# Altium PCB PCB1.PcbDoc (part 1 of 3) (continued)
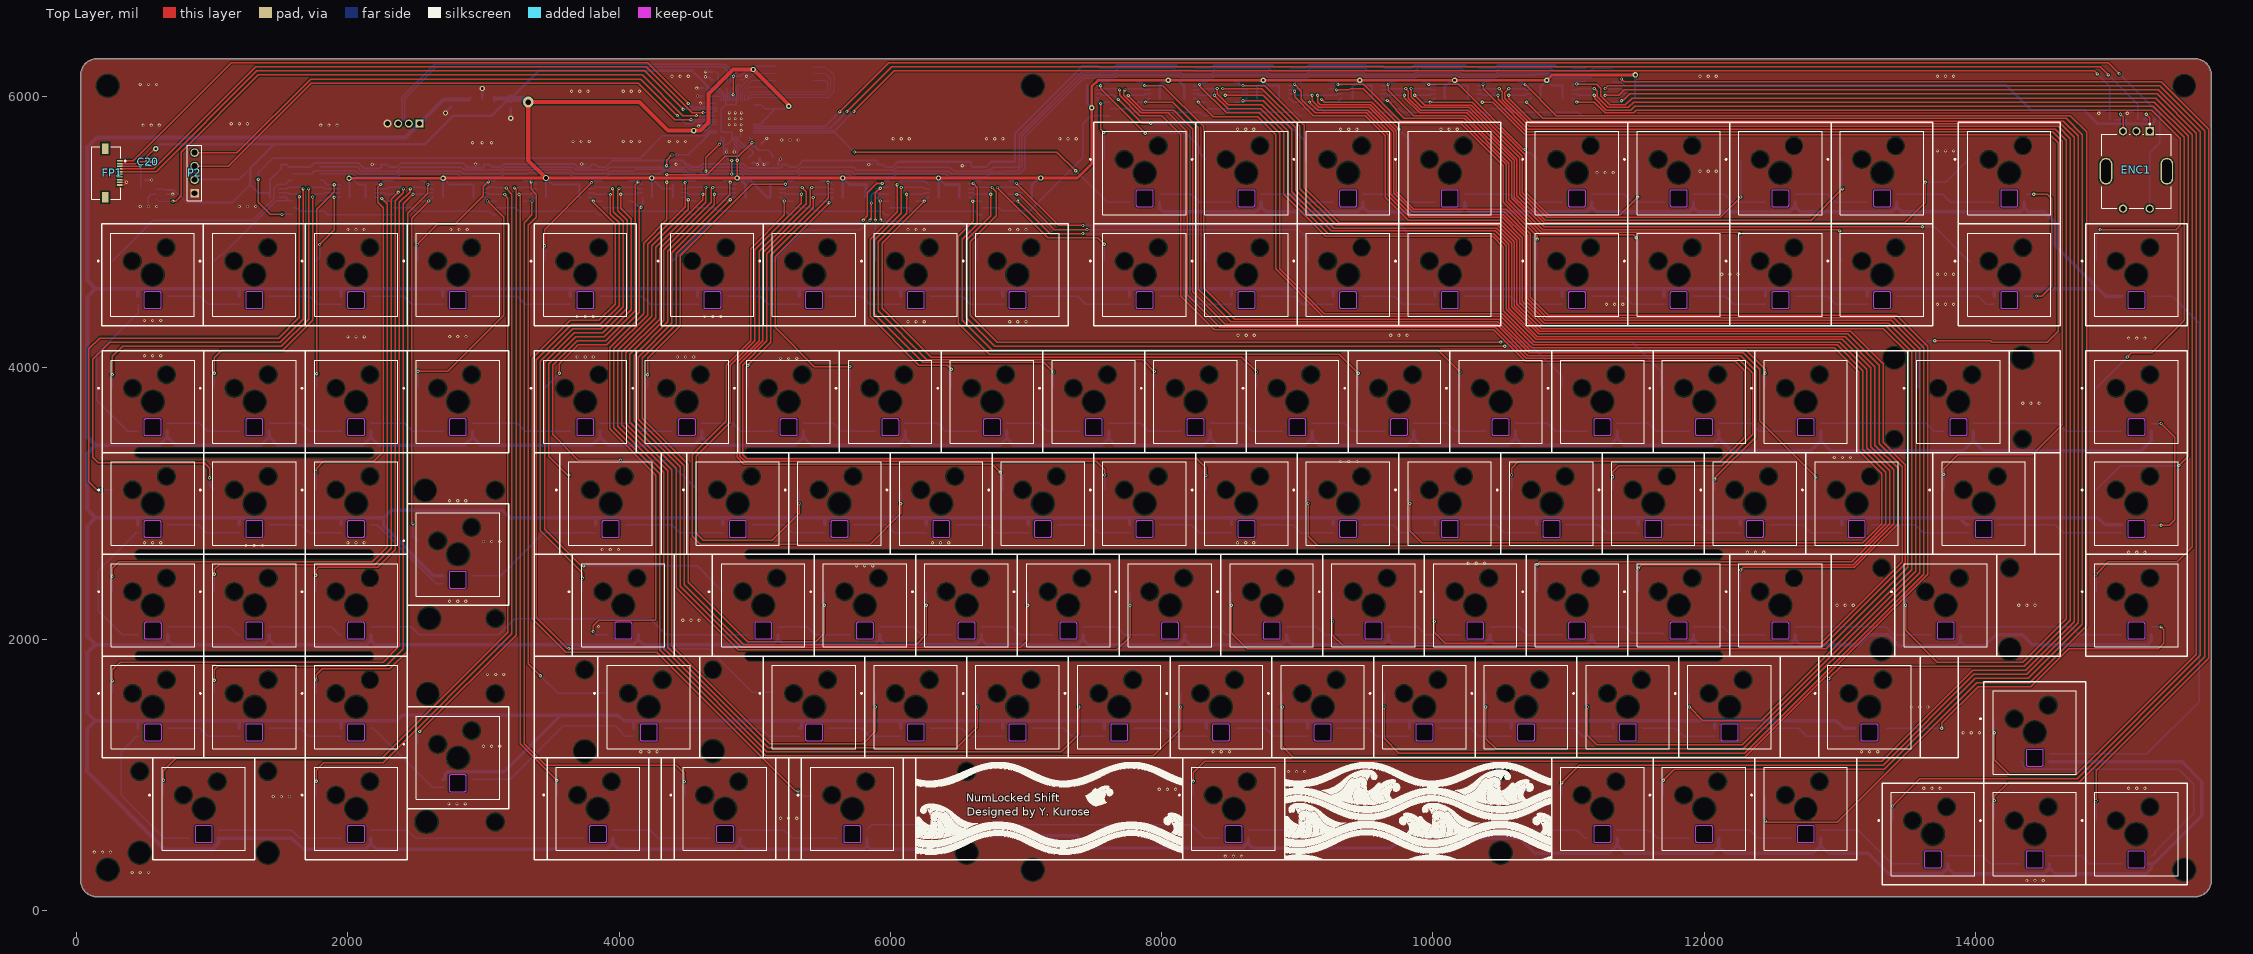
[diagram p0: Top Layer view]
## Components (designator, comment, footprint, x,y, rotation, side; value= is the part's Value field where it differs from the comment) (continued)
SW61 "MX1A-11NW_HS" MX1A-11NW-Footprint-1 10500,3750 r0 top
SW62 "MX1A-11NW_HS" MX1A-11NW-Footprint-1 12000,3750 r0 top
SW63 "MX1A-11NW_HS" MX1A-11NW-Footprint-1 11250,3750 r0 top
SW64 "MX1A-11NW_HS" MX1A-11NW-Footprint-1 9750,3750 r0 top
SW65 "MX1A-11NW_HS" MX1A-11NW-Footprint-1 13125,3000 r0 top
SW66 "MX1A-11NW_HS" MX1A-11NW-Footprint-1 12375,3000 r0 top
SW67 "MX1A-11NW_HS" MX1A-11NW-Footprint-1 11625,3000 r0 top
SW68 "MX1A-11NW_HS" MX1A-11NW-Footprint-1 12750,3750 r0 top
SW69 "MX1A-11NW_HS" MX1A-11NW-Footprint-1 8625,5437.5 r0 top
SW70 "MX1A-11NW_HS" MX1A-11NW-Footprint-1 10875,3000 r0 top
SW71 "MX1A-11NW_HS" MX1A-11NW-Footprint-1 9375,5437.5 r0 top
SW72 "MX1A-11NW_HS" MX1A-11NW-Footprint-1 7875,5437.5 r0 top
SW73 "MX1A-11NW_HS" MX1A-11NW-Footprint-1 12562.5,2250 r0 top
SW74 "MX1A-11NW_HS" MX1A-11NW-Footprint-1 10312.5,2250 r0 top
SW75 "MX1A-11NW_HS" MX1A-11NW-Footprint-1 9562.5,2250 r0 top
SW76 "MX1A-11NW_HS" MX1A-11NW-Footprint-1 8812.5,2250 r0 top
SW77 "MX1A-11NW_HS" MX1A-11NW-Footprint-1 9375,3000 r0 top
SW78 "MX1A-11NW_HS" MX1A-11NW-Footprint-1 11812.5,2250 r0 top
SW79 "MX1A-11NW_HS" MX1A-11NW-Footprint-1 11062.5,2250 r0 top
SW80 "MX1A-11NW_HS" MX1A-11NW-Footprint-1 10125,3000 r0 top
SW81 "MX1A-11NW_HS" MX1A-11NW-Footprint-1 10125,5437.5 r0 top
SW82 "MX1A-11NW_HS" MX1A-11NW-Footprint-1 9187.5,1500 r0 top
SW83 "MX1A-11NW_HS" MX1A-11NW-Footprint-1 11062.5,4687.5 r0 top
SW84 "MX1A-11NW_HS" MX1A-11NW-Footprint-1 11812.5,4687.5 r0 top
SW85 "MX1A-11NW_HS" MX1A-11NW-Footprint-1 11437.5,1500 r0 top
SW86 "MX1A-11NW_HS" MX1A-11NW-Footprint-1 12187.5,1500 r0 top
SW87 "MX1A-11NW_HS" MX1A-11NW-Footprint-1 9937.5,1500 r0 top
SW88 "MX1A-11NW_HS" MX1A-11NW-Footprint-1 10687.5,1500 r0 top
SW89 "MX1A-11NW_HS" MX1A-11NW-Footprint-1 11812.5,5437.5 r0 top
SW90 "MX1A-11NW_HS" MX1A-11NW-Footprint-1 12562.5,5437.5 r0 top
SW91 "MX1A-11NW_HS" MX1A-11NW-Footprint-1 13312.5,5437.5 r0 top
SW92 "MX1A-11NW_HS" MX1A-11NW-Footprint-1 11062.5,5437.5 r0 top
SW93 "MX1A-11NW_HS" MX1A-11NW-Footprint-1 13312.5,4687.5 r0 top
SW94 "MX1A-11NW_HS" MX1A-11NW-Footprint-1 14250,5437.5 r0 top
SW95 "MX1A-11NW_HS" MX1A-11NW-Footprint-1 14250,4687.5 r0 top
SW96 "MX1A-11NW_HS" MX1A-11NW-Footprint-1 12562.5,4687.5 r0 top
SW97 "MX1A-11NW_HS" MX1A-11NW-Footprint-1 12000,750 r0 top
SW98 "MX1A-11NW_HS" MX1A-11NW-Footprint-1 11250,750 r0 top
SW99 "MX1A-11NW_HS" MX1A-11NW-Footprint-1 8531.25,750 r0 top
SW100 "MX1A-11NW_HS" MX1A-11NW-Footprint-1 12750,750 r0 top
SW101 "MX1A-11NW_HS" MX1A-11NW-Footprint-1 14062.5,3000 r0 top
SW102 "MX1A-11NW_HS" MX1A-11NW-Footprint-1 13218.75,1500 r0 top
SW103 "MX1A-11NW_HS" MX1A-11NW-Footprint-1 13781.25,2250 r0 top
SW104 "MX1A-11NW_HS" MX1A-11NW-Footprint-1 13875,3750 r0 top
SW105 "MX1A-11NW_HS" MX1A-11NW-Footprint-1 14437.5,1312.5 r0 top
SW106 "MX1A-11NW_HS" MX1A-11NW-Footprint-1 13687.5,562.5 r0 top
SW107 "MX1A-11NW_HS" MX1A-11NW-Footprint-1 14437.5,562.5 r0 top
SW108 "MX1A-11NW_HS" MX1A-11NW-Footprint-1 15187.5,562.5 r0 top
SW109 "MX1A-11NW_HS" MX1A-11NW-Footprint-1 15187.5,2250 r0 top
SW110 "MX1A-11NW_HS" MX1A-11NW-Footprint-1 15187.5,3000 r0 top
SW111 "MX1A-11NW_HS" MX1A-11NW-Footprint-1 15187.5,3750 r0 top
SW112 "MX1A-11NW_HS" MX1A-11NW-Footprint-1 15187.5,4687.5 r0 top
U1 "LM3940IMP-3.3/NOPB" FP-DCY0004A-MFG 2990,5874.17 r270 bottom
U2 "TCR2EF33,LM(CT" SOT95P275X140-5N 530,5280 r180 bottom
U3 "RP2040TR13" QFN40P700X700X90_HS-57N 4856.69,5836.69 r180 bottom
U4 "74HC165D,653" FP-SOT109-1-IPC_B 1692.5,5307.5 r180 bottom
U5 "74HC165D,653" FP-SOT109-1-IPC_B 2433.44,5305.41 r180 bottom
U6 "74HC165D,653" FP-SOT109-1-IPC_B 3193.72,5305.41 r180 bottom
U7 "74HC165D,653" FP-SOT109-1-IPC_B 3974.01,5305.41 r180 bottom
U8 "74HC165D,653" FP-SOT109-1-IPC_B 4664.3,5305.41 r180 bottom
U9 "74HC165D,653" FP-SOT109-1-IPC_B 5381.44,5305.41 r180 bottom
U10 "74HC165D,653" FP-SOT109-1-IPC_B 6088.59,5305.41 r180 bottom
U11 "74HC165D,653" FP-SOT109-1-IPC_B 6775.73,5305.41 r180 bottom
U12 "74HC165D,653" FP-SOT109-1-IPC_B 7718.6,6034.55 r180 bottom
U13 "74HC165D,653" FP-SOT109-1-IPC_B 8435.74,6034.55 r180 bottom
U14 "74HC165D,653" FP-SOT109-1-IPC_B 9135.49,6034.55 r180 bottom
U15 "74HC165D,653" FP-SOT109-1-IPC_B 9820.03,6034.55 r180 bottom
U16 "74HC165D,653" FP-SOT109-1-IPC_B 10527.17,6034.55 r180 bottom
U17 "74HC165D,653" FP-SOT109-1-IPC_B 11224.32,6034.55 r180 bottom
Y1 "W25Q128JVSIQ TR" SOIC127P790X216-8N 5296.69,6146.69 r180 bottom
Y2 "ABM8G-12.000MHZ-18-D2Y-T" FP-ABM8G-MFG 5042.41,5599.73 r225 bottom

## Footprints (in the part's own frame and the unit in brackets; to place one, negate y for a bottom-side part, rotate by r counter-clockwise, add the part's x,y. Pads: shape width x height; smd on the part's side, far side on the other; paste and mask are expansions set on the pad)
1655-Footprint-1 [mm]
  rect 1.8x0.82 smd: 1(2.779,0.75) 2(2.779,-0.75) 3(-2.779,-0.75) 4(-2.779,0.75)
  Keep-Out Layer board cut-out: -1.623,1.24 -1.582,1.394 -1.469,1.507 -1.315,1.548 -1.315,1.548 1.315,1.548 1.44,1.515 1.542,1.436 1.607,1.323 1.623,1.195 1.623,1.195 1.623,-1.239 1.599,-1.357 1.533,-1.457 1.433,-1.524 1.315,-1.547 1.315,-1.547 -1.315,-1.547 -1.433,-1.524 -1.533,-1.457 -1.6,-1.357 -1.623,-1.239 -1.623,-1.239
  silkscreen extent -4.21,-1.6 -2.64,-0.14, body extent -2.94,-1.4 2.94,1.4, height 0.45
61300411121 [mm] "Pin Header, pitch 2.54 mm, THT, Vertical, single row, 4p"
  rect 1.6x1.6 hole 1.1: 1(-3.81,0)
  round 1.6 hole 1.1: 2(-1.27,0) 3(1.27,0) 4(3.81,0)
  silkscreen extent -5.23,-1.35 5.23,1.34, body extent -5.08,-1.27 5.08,1.27, height 8.57
BOUR-CAY16-J4_V [mm] "SMD, 8-Leads, Body 1.6x3.2mm, Pitch 0.8mm"
  rect 0.9x0.425 smd: 1(-0.85,-1.2) 2(-0.85,-0.4) 3(-0.85,0.4) 4(-0.85,1.2) 5(0.85,1.2) 6(0.85,0.4) 7(0.85,-0.4) 8(0.85,-1.2)
  silkscreen extent -1.97,-1.32 -1.73,-1.08, body extent -0.8,-1.6 0.8,1.6, height 0.6
CAPC0603(1608)100_L [mm] "Chip Capacitor, Body 1.6x0.8mm, Height 1.0mm, IPC High Density"
  rrect25% 0.66x0.76 smd: 1(-0.7,0) 2(0.7,0)
  silkscreen extent 0,-0.3 0,0.3, body extent -0.8,-0.4 0.8,0.4, height 0.95
CAPC1608X90X35LL10T15 [mm] "Chip Capacitor, 2-Leads, Body 1.7x0.9mm, IPC High Density"
  rect 0.75x0.85 smd: 1(-0.625,0) 2(0.625,0)
  body extent -0.85,-0.45 0.85,0.45, height 0.9
FP-505110-1092-MFG [mm]
  rect 0.3x1 smd paste+0 mask+0: 1(-2.25,2.475) 2(-1.75,2.475) 3(-1.25,2.475) 4(-0.75,2.475) 5(-0.25,2.475) 6(0.25,2.475) 7(0.75,2.475) 8(1.25,2.475) 9(1.75,2.475) 10(2.25,2.475)
  rect 2x1.3 smd paste+0 mask+0: 11(-4.55,-0.225) 12(4.55,-0.225)
  silkscreen extent -4.95,-2.73 4.95,3.65, body extent -5.65,-2.83 5.65,3.08, height 0.25
FP-ABM8G-MFG [mm]
  rect 1.4x1.2 smd paste+0 mask+0: 1(-1.1,-0.85) 2(1.1,-0.85) 3(1.1,0.85) 4(-1.1,0.85)
  silkscreen extent -2.47,-1.82 1.6,1.82, body extent -1.6,-1.25 1.6,1.25, height 1
FP-C2012-125-0_2-IPC_A [mil]
  rect 62.13x61.27 smd paste+0 mask+0: 1(-34.02,0) 2(34.02,0)
  silkscreen extent -65,-46 65,46, body extent -39,-25 39,25, height 57
FP-DCY0004A-MFG [mm]
  rect 2.15x0.95 smd paste+0 mask+0: 1(-2.9,2.3) 2(-2.9,0) 3(-2.9,-2.3)
  rect 2.15x3.25 smd paste+0 mask+0: 4(2.9,0)
  silkscreen extent -4.7,-3.35 1.85,3.35, body extent -3.5,-3.25 3.5,3.25, height 1.8
FP-GRM15-MFG [mm]
  rect 0.4x0.5 smd paste+0 mask+0: 1(-0.4,0) 2(0.4,0)
  silkscreen extent -0.53,-0.62 0.53,0.62, body extent -0.3,-0.16 0.3,0.16, height 0.33
FP-GRM033-0_03-IPC_A [mil]
  rect 21.82x18.22 smd paste+0 mask+0: 1(-13.95,0) 2(13.95,0)
  silkscreen extent -25,-25 25,25, body extent -12,-6 12,6, height 13
FP-GRM155-0_2-IPC_A [mil]
  rect 32.6x31.74 smd paste+0 mask+0: 1(-19.25,0) 2(19.25,0)
  silkscreen extent -36,-32 36,32, body extent -20,-10 20,10, height 28
FP-PEC11R-4015F-S0024-MFG [mm]
  round 1.55 hole 1 paste-1000 mask+0: 1(-2.5,7) 2(2.5,7) B(2.5,-7.5) C(0,-7.5)
  rrect100% 2.4x5 hole 4.4 slot 1.8 at 0 deg paste-1000 mask+0: 3(-5.7,0) 4(5.7,0)
  rect 1.55x1.55 hole 1 paste-1000 mask+0: A(-2.5,-7.5)
  silkscreen extent -6.5,-8.95 6.5,6.95, body extent -7,-8.37 7,7.88, height 0.25
FP-SOT109-1-IPC_B [mil]
  rect 74.98x22.36 smd paste+0 mask+0: 1(-98.46,175)
  rrect100% 74.98x22.36 smd paste+0 mask+0: 2(-98.46,125) 3(-98.46,75) 4(-98.46,25) 5(-98.46,-25) 6(-98.46,-75) 7(-98.46,-125) 8(-98.46,-175) 9(98.46,-175) 10(98.46,-125) 11(98.46,-75) 12(98.46,-25) 13(98.46,25) 14(98.46,75) 15(98.46,125) 16(98.46,175)
  silkscreen extent -168,-195 41,195, body extent -118,-195 118,195, height 69
JST-B4B-PH-K-S_V [mm] "Connector, 4-Leads, Body 9.9x4.5mm, Pitch 2mm"
  rect 1.5x1.5 hole 1: 1(-3,0.55)
  round 1.5 hole 1: 2(-1,0.55) 3(1,0.55) 4(3,0.55)
  silkscreen extent -4.95,-2.25 4.95,2.25, body extent -4.95,-2.25 4.95,2.25, height 6
MX1A-11NW-Footprint-1 [mm]
  rect 2.55x2.5 smd far side paste+0: 1(-7.56,2.54) 2(6.29,5.08)
  round 0 hole 3 unplated paste+0: HMT1(-3.81,2.54) HMT2(2.54,5.08)
  round 0 hole 3.988 unplated paste+0: MH1(0,0)
  silkscreen extent -10.28,-9.53 9.53,9.53, body extent -7.76,0.86 6.74,6.76, height 0.85
QFN40P700X700X90_HS-57N [mm] "QFN, 56-Leads, Body 7.00x7.00mm, Pitch 0.40mm, Thermal Pad 3.10x3.10mm, IPC Medium Density"
  oval 0.9x0.2 smd: 1(-3.375,2.6) 2(-3.375,2.2) 3(-3.375,1.8) 4(-3.375,1.4) 5(-3.375,1) 6(-3.375,0.6) 7(-3.375,0.2) 8(-3.375,-0.2) 9(-3.375,-0.6) 10(-3.375,-1) 11(-3.375,-1.4) 12(-3.375,-1.8) 13(-3.375,-2.2) 14(-3.375,-2.6) 29(3.375,-2.6) 30(3.375,-2.2) 31(3.375,-1.8) 32(3.375,-1.4) 33(3.375,-1) 34(3.375,-0.6) 35(3.375,-0.2) 36(3.375,0.2) 37(3.375,0.6) 38(3.375,1) 39(3.375,1.4) 40(3.375,1.8) 41(3.375,2.2) 42(3.375,2.6)
  oval 0.2x0.9 smd: 15(-2.6,-3.375) 16(-2.2,-3.375) 17(-1.8,-3.375) 18(-1.4,-3.375) 19(-1,-3.375) 20(-0.6,-3.375) 21(-0.2,-3.375) 22(0.2,-3.375) 23(0.6,-3.375) 24(1,-3.375) 25(1.4,-3.375) 26(1.8,-3.375) 27(2.2,-3.375) 28(2.6,-3.375) 43(2.6,3.375) 44(2.2,3.375) 45(1.8,3.375) 46(1.4,3.375) 47(1,3.375) 48(0.6,3.375) 49(0.2,3.375) 50(-0.2,3.375) 51(-0.6,3.375) 52(-1,3.375) 53(-1.4,3.375) 54(-1.8,3.375) 55(-2.2,3.375) 56(-2.6,3.375)
  rect 3.1x3.1 smd: 57(0,0)
  silkscreen extent -4.43,-3.65 3.65,3.65, body extent -3.55,-3.55 3.55,3.55, height 0.9
RESC1005X40X25ML05T05 [mm] "Chip Resistor, 2-Leads, Body 1.00x0.50mm, IPC Low Density"
  rect 0.65x0.65 smd: 1(-0.5,0) 2(0.5,0)
  body extent -0.53,-0.27 0.53,0.28, height 0.4
RESC1005X40X25NL05T10 [mm] "Chip Resistor, 2-Leads, Body 1.00x0.50mm, IPC Medium Density"
  rect 0.5x0.6 smd: 1(-0.5,0) 2(0.5,0)
  body extent -0.53,-0.27 0.53,0.28, height 0.4
SOIC127P790X216-8N [mm] "SOIC, 8-Leads, Body 5.28x5.28mm, Pitch 1.27mm, IPC Medium Density"
  oval 1.7x0.6 smd: 1(-3.55,1.905) 2(-3.55,0.635) 3(-3.55,-0.635) 4(-3.55,-1.905) 5(3.55,-1.905) 6(3.55,-0.635) 7(3.55,0.635) 8(3.55,1.905)
  silkscreen extent -3.68,-2.7 2.3,2.88, body extent -2.7,-2.7 2.7,2.7, height 2.16
SOT95P275X140-5N [mm] "SOT23, 5-Leads, Body 2.90x2.75mm, Pitch 0.95mm, IPC Medium Density"
  rect 0.95x0.6 smd: 1(-1.375,0.95) 2(-1.375,0) 3(-1.375,-0.95) 4(1.375,-0.95) 5(1.375,0.95)
  silkscreen extent -1.5,-1.55 0.5,1.92, body extent -0.9,-1.55 0.9,1.55, height 1.4

## Part data
C1: library part CMP-001-00077-3, "Chip Capacitor, 470nF +/-20%, 25V, 0603, Thickness 1 mm", Case/Package=0603, Max Operating Temperature=85°C, Min Operating Temperature=-55°C, Tolerance=10%, Voltage Rating=25V, Mounting Technology=SMT, Pins=2
C2 C4 C5 C6 C7 C8 C9 C10 C11 C12 C13 C14 C19 C20 C21 C23 C25 C26 C27 C28 C29 C30 C31 C32 C33 C34 C35 C36 C37 C38: library part CMP-2100-03641-2, "CAP CER 0.1UF 16V X7R 0402 /  GRM155R71C104KA88D", Capacitance=0.10μF, Manufacturer=Murata, Manufacturer Part Number=GRM155R71C104KA88D, Package=GRM15, Temperature="-55°C to +125°C", Temperature Characteristic=X7R, Temperature Range High=+125°C, Temperature Range Low=-55°C, Tolerance=10%, Voltage Rating=16Vdc, Category=Cap, ComponentLink2Description=Datasheet, ComponentLink2URL=https://search.murata.co.jp/Ceramy/image/img/A01X/G101/ENG/GRM155R71H471KA01-01A.pdf, Device Class L1="Passive Components", Device Class L2=Capacitors, Device Class L3="Ceramic Capacitors", Digikey Description="CAP CER 0.1UF 16V X7R 0402", Height=0.55mm, Ipc Land Pattern Name=CAPC10050X219, Lead Free=yes, Material=Ceramic, Mouser Description="0402 0.1 uF 16V ±10 % Tolerance X7R SMT Multilayer Ceramic Capacitor", Octopart=https://octopart.com/grm155r71c104ka88d-murata-196880, RoHS=TRUE, Standoff Height=0mm
C3: library part CMP-08246-003796-1, "Multilayer Ceramic Capacitors 33μF ±20% 6.3V X5R SMD 0805 / C2012X5R0J336M125AC", Case Code (Imperial)=0805, Case Code (Metric)=2012, Dielectric=X5R, Dielectric Material=Ceramic, Max Operating Temperature=85°C, Min Operating Temperature=-55°C, Package Quantity=1, Tolerance=20%, Voltage Rating=6.3V, Capacitance=33uF, Case/Package=0805, Construction=Flat, Depth=1.25mm, Height=1.25mm, Lead Free="Lead Free", Length=2mm, Mount="Surface Mount", Packaging="Tape and Reel", Radiation Hardening=No, REACH SVHC="No SVHC", Resistor Type=Ceramic, RoHS Compliant=Yes, Series=C, Termination=SMD/SMT, Thickness=0.057inch, Voltage Rating (DC)=6.3V, Weight=0.000194oz, Width=1.2mm
C15 C18: library part CMP-1033-00635-3, "Chip Multilayer Ceramic Capacitors for General Purpose, 0201, 10000pF, X7R, 15%, 10%, 6.3V / GRM033R70J103KA01D", Capacitance=10nF, Case Code (Imperial)=0201, Case Code (Metric)=0603, Dielectric=X7R, Max Operating Temperature=125°C, Min Operating Temperature=-55°C, Package Quantity=15000, Tolerance=10%, Voltage=6.3V, Case/Package=0201, Depth=0.3mm, Height=0.3mm, Lead Free="Lead Free", Length=0.6mm, Mount="Surface Mount", Packaging="Tape and Reel", Radiation Hardening=No, REACH SVHC="No SVHC", Termination=SMD/SMT, Thickness=0.013inch, Voltage Rating=6.3V, Voltage Rating (DC)=6.3V, Width=0.012inch
C16 C17: library part CMP-06035-026070-1, "Chip Multilayer Ceramic Capacitors for General Purpose, 0402, 10uF, X5R, 15%, 20%, 10V / GRM155R61A106ME11D"
C22 C24: library part CMP-2000-06334-1, "Chip Capacitor, 18 pF, +/- 5%, 50 V, -55 to 125 degC, 0603 (1608 Metric), RoHS, Tape and Reel / GRM1885C1H180JA01D", Manufacturer=Murata, Operating Temperature=-55°C~125°C, Package / Case=0603(1608Metric), Package Description="2-Pin Surface Mount Device, Body 1.6 x 0.8 mm", Package Reference=0603, Ratings=-, Standard Package=4,000, Temperature Coefficient=C0G,NP0, Tolerance=±5%, Voltage - Rated=50V, Applications=GeneralPurpose, Capacitance=18pF, Category=Capacitors, Datasheet URL=http://search.murata.co.jp/Ceramy/image/img/A01X/G101/ENG/GRM1885C1H180JA01-01.pdf, Datasheet Version=03/2016, Family=CeramicCapacitors, Features=-, Height - Seated (Max)=-, Lead Spacing=-, Lead Style=-, Manufacturer URL=http://www.murata.com/, Mounting Technology=SurfaceMount, Mounting Type=SurfaceMount,MLCC, Online Catalog=GRMSeries, Other Names=490-1409-2GRM39C0G180J050AD, Packaging=Tape&Reel(TR), Series=GRM, Size / Dimension="0.063\"Lx0.031\"W(1.60mmx0.80mm)", Thickness (Max)="0.035\"(0.90mm)"
ENC1: library part CMP-07421-000032-1, "ROTARY ENCODER MECHANICAL 24PPR", Max Operating Temperature=70°C, Min Operating Temperature=-30°C, Package Quantity=75, Built in Switch=Yes, Detent=No, Encoder Type=Mechanical, Height=13.4mm, Hole Diameter=1.8mm, Length=21.5mm, Mount="Through Hole", Number of Channels=2, Number of Pins=5, Orientation=Vertical, Output Type=Quadrature, Packaging=Bulk, Pulses per Revolution=24, Radiation Hardening=No, REACH SVHC="No SVHC", RoHS Compliant=Yes, Series=PEC11R, Termination="PC Pin", Width=12.5mm
FP1: library part CMP-04775-000007-1, "CONN FPC BOTTOM 10POS .5MM R/A", Current Rating=500mA, Flammability Rating="UL94 V-0", Max Operating Temperature=105°C, Min Operating Temperature=-40°C, Voltage Rating=50V, Actuator Material=Nylon, Contact Material=Bronze, Contact Plating=Gold, Gender=Receptacle, Housing Material=Polymer, Mount="Surface Mount", Number of Positions=10, Number of Rows=1, Packaging="Tape and Reel", Pitch=0.02inch, RoHS Compliant=Yes, Termination=Solder
LED1 LED2 LED3 LED4 LED5 LED6 LED7 LED8 LED9 LED10 LED11 LED12 LED13 LED14 LED15 LED16 LED17 LED18 LED19 LED20 LED21 LED22 LED23 LED24 LED25 LED26 LED27 LED28 LED29 LED30 LED31 LED32 LED33 LED34 LED35 LED36 LED37 LED38 LED39 LED40 LED41 LED42 LED43 LED44 LED45 LED46 LED47 LED48 LED49 LED50 LED51 LED52 LED53 LED54 LED55 LED56 LED57 LED58 LED59 LED60 LED61 LED62 LED63 LED64 LED65 LED66 LED67 LED68 LED69 LED70 LED71 LED72 LED73 LED74 LED75 LED76 LED77 LED78 LED79 LED80 LED81 LED82 LED83 LED84 LED85 LED86 LED87 LED88 LED89 LED90 LED91 LED92 LED93 LED94 LED95 LED96 LED97 LED98 LED99 LED100 LED101 LED102 LED103 LED104 LED105 LED106 LED107 LED108 LED109 LED110 LED111 LED112: library part CMP-007-00037-20, "WS2812B 5050 RGB LED WITH INTEGRATED DRIVER CHIP PACK OF 10"
P1: library part CMP-2000-05165-1, "Male Header, Pitch 2 mm, 1 x 4 Position, Height 6 mm, Tail Length 3.4 mm, -25 to 85 degC, RoHS, Bulk", Manufacturer=JST, Datasheet URL=http://datasheet.octopart.com/B4B-PH-K-S%28LF%29%28SN%29-JST-datasheet-10558886.pdf, Datasheet Version=Apr-09, Manufacturer URL=http://www.jst.com/home2.html, No of Positions=4, Pitch=2mm, Style/Orientation=StraightHeader/Plug, Termination=Crimp, Type=ShroudedHeader
P2: library part CMP-1502-01064-1, "THT Vertical Pin Header WR-PHD, Pitch 2.54 mm, Single Row, 4 pins", Contact Resistance=20mOhm, Manufacturer="Wurth Elektronik", Operating Temperature=-40to105degC, Rated Current=3A, Withstanding Voltage=500VAC, Working Voltage=250VAC, Datasheet URL=https://katalog.we-online.de/em/datasheet/6130xx11121.pdf, Gender=Male, Manufacturer URL=http://www.we-online.de, Mounting Technology=THT, Orientation=Vertical, Package Reference=61300411121, Packaging=Bag, Part Number=61300411121, Pin Number=4, Pitch=2.54mm, Publisher=WurthElektronik, Row Number=Single
R1 R2 R3 R4: library part CMP-2002-00433-1, "ERJ-2GEJ103X / 10kohm resistor", Manufacturer=Panasonic, Part Number=ERJ-2GEJ103X
R5 R6: library part CMP-009-00177-1, "Fixed Resistor, Metal Glaze/thick Film, 0.0625W, 27ohm, 50V, 1% +/-Tol, 100ppm/Cel, Surface Mount, 0402", Case/Package=0402, Max Operating Temperature=155°C, Min Operating Temperature=-55°C, Power=62.5mW, Tolerance=1%, Additional Feature="LASER TRIMMABLE", Construction=Chip, JESD-609 Code=e3, Mounting Technology="Surface Mount", Pins=2, RoHS Compliant=Yes
R7 R8 R9 R10 R11 R12 R13 R14 R15 R16 R17 R18 R19 R20 R21 R22 R23 R24 R25 R26 R27 R28 R29 R30 R31 R32 R33 R34: library part CMP-1747-00005-1, "Chip Resistor Array, 10 KOhm, +/- 5%, 62.5 mW, -55 to 125 degC, 8-Pin SMD, RoHS, Tape and Reel", Case Code (Imperial)=0603, Case Code (Metric)=1608, Max Operating Temperature="155 degC", Min Operating Temperature="-55 degC", Power Rating="100 mW", Resistance="220 Ohm", Tolerance=1%, Voltage Rating="75 V", Case\Package=0603, ComponentLink1Description="Manufacturer URL", ComponentLink1URL=http://www.bourns.com/, ComponentLink2Description=Datasheet, ComponentLink2URL=http://www.bourns.com/docs/Product-Datasheets/CATCAY.pdf, DatasheetVersion=Jan-15, Height="0.022 inch", Length="0.063 inch", Mount="Surface Mount", PackageDescription="8-Pin Surface Mount Device, Body 1.6 x 3.2 mm, Pitch 0.8 mm", PackageReference=CAY16-J4, Packaging="Tape and Reel", Pins=2, Radiation Hardening=No, REACH SVHC=Yes, RoHSCompliant=true, Weight="7.1E-05 oz", Width="0.031 inch"
SW1 SW2 SW3 SW4 SW5 SW6 SW7 SW8 SW9 SW10 SW11 SW12 SW13 SW14 SW15 SW16 SW17 SW18 SW19 SW20 SW21 SW22 SW23 SW24 SW25 SW26 SW27 SW28 SW29 SW30 SW31 SW32 SW33 SW34 SW35 SW36 SW37 SW38 SW39 SW40 SW41 SW42 SW43 SW44 SW45 SW46 SW47 SW48 SW49 SW50 SW51 SW52 SW53 SW54 SW55 SW56 SW57 SW58 SW59 SW60 SW61 SW62 SW63 SW64 SW65 SW66 SW67 SW68 SW69 SW70 SW71 SW72 SW73 SW74 SW75 SW76 SW77 SW78 SW79 SW80 SW81 SW82 SW83 SW84 SW85 SW86 SW87 SW88 SW89 SW90 SW91 SW92 SW93 SW94 SW95 SW96 SW97 SW98 SW99 SW100 SW101 SW102 SW103 SW104 SW105 SW106 SW107 SW108 SW109 SW110 SW111 SW112: library part CMP-011-00013-15, "Keypad Switch, 1 Switches, SPST, Momentary, 0.01A, 12VDC, 0.78N, Solder Terminal, Through Hole-straight Hole added for LED.", Max Operating Temperature=70°C, Min Operating Temperature=-10°C, Body Breadth=15.6inch, Body Height=11.6mm, Body Length or Diameter=15.6mm, Circuit Configuration=1X1, Mounting Technology="Through Hole", RoHS Compliant=Yes
U1: library part CMP-0062-01788-4, "IC REG LINEAR 3.3V 1A SOT223-4", Case/Package=SOT-223, Current Rating=1A, Dropout Voltage=500mV, Max Input Voltage=7.5V, Max Operating Temperature=125°C, Max Output Voltage=3.3V, Min Input Voltage=4.5V, Min Operating Temperature=-40°C, Package Quantity=1000, Quiescent Current=15mA, Contact Plating=Tin, Height=1.6mm, Lead Free="Lead Free", Length=6.5mm, Max Output Current=1A, Max Supply Voltage=7.5V, Min Supply Voltage=4.5V, Mount="Surface Mount", Nominal Output Voltage=3.3V, Number of Outputs=1, Number of Pins=4, Number of Regulators=1, Output Configuration=Positive, Output Current=1A, Output Type=Fixed, Output Voltage=3.3V, Packaging="Tape and Reel", Polarity=Positive, Radiation Hardening=No, REACH SVHC="No SVHC", Series=-, Termination=SMD/SMT, Width=3.56mm
U2: library part CMP-019-00050-1, "Fixed Positive LDO Regulator, 3.3V, 0.2V Dropout, CMOS, PDSO5"
U3: library part CMP-020-00023-1, "Mcu, 32 Bit, 133MHZ, QFN-56;"
U4 U5 U6 U7 U8 U9 U10 U11 U12 U13 U14 U15 U16 U17: library part CMP-016-00010-2, "Parallel In Serial Out, HC/UH Series, 8-Bit, Right Direction, Complementary Output, CMOS, PDSO16", Case/Package=SOP, Max Operating Temperature=125°C, Max Supply Voltage=6V, Min Operating Temperature=-40°C, Min Supply Voltage=2V, Nominal Supply Voltage=5V, Clock Edge Trigger Type="Positive Edge", Count Direction=RIGHT, Height - Seated (Max)=1.75mm, JESD-30 Code=R-PDSO-G16, Logic Type="PARALLEL IN SERIAL OUT", Pins=16, RoHS Compliant=Yes
Y1: library part CMP-019-00049-1, "Flash, 16MX8, PDSO8", Case/Package=SOP, Clock Frequency=133MHz, Max Operating Temperature=85°C, Max Supply Voltage=3.6V, Min Operating Temperature=-40°C, Min Supply Voltage=2.7V, Density=134217728b, Height - Seated (Max)=2.16mm, JESD-30 Code=S-PDSO-G8, Length=5.23mm, Memory Format=FLASH, Memory Size=16777216, Pins=8, RoHS Compliant=Yes
Y2: library part CMP-2000-05039-3, "Crystal 12MHz ±20ppm (Tol) ±30ppm (Stability) 18pF FUND 120Ω 4-Pin SMD T/R", Case/Package=CSMD, ESR (Equivalent Series Resistance)=120R, Frequency=12MHz, Frequency Stability=30ppm, Frequency Tolerance=20ppm, Load Capacitance=18pF, Max Operating Temperature=85°C, Min Operating Temperature=-40°C, Operating Frequency="12 MHz", Package Quantity=1000, Depth=2.5mm, Height=1mm, Lead Free="Lead Free", Length=3.2mm, Mount="Surface Mount", Number of Pins=4, Packaging="Tape and Reel", Radiation Hardening=No, Series=ABM8G, Series Resistance=120R, Termination=SMD/SMT, Tolerance=20ppm, Width=2.5mm

## Free pads (board coordinates)
  round 0 hole 60 slot 1750 at 0 deg: 3(1310,1875) 3(1310,2625) 3(1310,3375)
  round 0 hole 60 slot 7200 at 0 deg: 3(8531.25,1875) 3(8531.25,2625) 3(8531.25,3375)
  round 0 hole 157.48: MNT(230,300) MNT(230,6080) MNT(7050,300) MNT(7050,6080) MNT(15540,300) MNT(15540,6080)
  round 0 hole 156.96: SMH(465.05,425) SMH(1409.93,425) SMH(2570,3097.44) SMH(2580,652.56) SMH(2590,1597.44) SMH(2600,2152.56) SMH(3746.32,1175) SMH(4691.2,1175) SMH(13308.8,1925) SMH(13402.56,4075) SMH(14253.68,1925) SMH(14347.44,4075)
  round 0 hole 120: SMH(465.05,1025) SMH(1409.93,1025) SMH(3087.5,652.56) SMH(3087.5,1597.44) SMH(3087.5,2152.56) SMH(3087.5,3097.44) SMH(3746.32,1775) SMH(4691.2,1775) SMH(6562.76,1025) SMH(10499.76,1025) SMH(13308.8,2525) SMH(13402.56,3475) SMH(14253.68,2525) SMH(14347.44,3475)
  round 0 hole 157: SMH(6562.76,425) SMH(10499.76,425)

## Via types
v1: diameter 23.62, hole 11.81, Top Layer to Bottom Layer, 537 vias
v2: diameter 40, hole 20, Top Layer to Bottom Layer, 18 vias
v3: diameter 19.68, hole 11.81, Top Layer to Bottom Layer, 10 vias
v4: diameter 39.37, hole 19.68, Top Layer to Bottom Layer, 3 vias
v5: diameter 80, hole 40, Top Layer to Bottom Layer, 1 vias
v6: diameter 45, hole 30, Top Layer to Bottom Layer, 1 vias

## Nets (pads, with @x,y where several pads share a name; then routed paths per layer and width w, separated by ;. In a path a pad name is that pad's centre, name@x,y a point inside that pad or via, vN(x,y) a via of type N, cw(c..) or ccw(c..) an arc to the next point about the centre after c; other vN are vias at no path point)
1V1: C4.1 C5.1 C6.1 C16.1 U3.23 U3.45 U3.50 | length 907.7
  Bottom Layer w10: C4.1@4716.69,6182.94 4716.69,6180.97 4731.3,6166.37 4731.3,6065.75 4785.83,6011.22 U3.45@4785.83,5969.57 4785.83,5939.97 ; C6.1@4791.73,5646.69 4794.6,5649.56 4799.56,5649.56 4832.9,5682.9 4832.9,5703.65 U3.23@4833.07,5703.82 4833.07,5726.93 4823.07,5736.93 4760.87,5736.93 4755.02,5742.79 4755.02,5909.16 4785.83,5939.97 ; C5.1@4890,6094.25 4888.03,6094.25 4864.57,6070.79 4864.57,5945.83 4858.71,5939.97 4785.83,5939.97
"+3V3 VCC": C2.1 C3.1 C7.1 C8.1 C9.1 C10.1 C11.1 C12.1 C13.1 C14.1 C17.1 C19.1 C20.1 C21.1 C25.1 C26.1 C27.1 C28.1 C29.1 C30.1 C31.1 C32.1 C33.1 C34.1 C35.1 C36.1 C37.1 C38.1 FP1.2 P2.2 R1.2 R4.1 R7.1 R7.2 R7.3 R7.4 R8.1 R8.2 R8.3 R8.4 R9.1 R9.2 R9.3 R9.4 R10.1 R10.2 R10.3 R10.4 R11.1 R11.2 R11.3 R11.4 R12.1 R12.2 R12.3 R12.4 R13.1 R13.2 R13.3 R13.4 R14.1 R14.2 R14.3 R14.4 R15.1 R15.2 R15.3 R15.4 R16.1 R16.2 R16.3 R16.4 R17.1 R17.2 R17.3 R17.4 R18.1 R18.2 R18.3 R18.4 R19.1 R19.2 R19.3 R19.4 R20.1 R20.2 R20.3 R20.4 R21.1 R21.2 R21.3 R21.4 R22.1 R22.2 R22.3 R22.4 R23.1 R23.2 R23.3 R23.4 R24.1 R24.2 R24.3 R24.4 R25.1 R25.2 R25.3 R25.4 R26.1 R26.2 R26.3 R26.4 R27.1 R27.2 R27.3 R27.4 R28.1 R28.2 R28.3 R28.4 R29.1 R29.2 R29.3 R29.4 R30.1 R30.2 R30.3 R30.4 R31.1 R31.2 R31.3 R31.4 R32.1 R32.2 R32.3 R32.4 R33.1 R33.2 R33.3 R33.4 R34.1 R34.2 R34.3 R34.4 U1.3 U2.1 U3.1 U3.10 U3.22 U3.33 U3.42 U3.43 U3.44 U3.48 U3.49 U4.16 U5.16 U6.16 U7.16 U8.16 U9.16 U10.16 U11.16 U12.16 U13.16 U14.16 U15.16 U16.16 U17.16 Y1.8 | length 42401.3
  Top Layer w10: v1(4840.65,6013.66) 4840.65,6144.43 4843.39,6147.17 v1(4843.39,6150.86) ; v2(4870,5400) 4870.68,5400.68 4870.68,5530.67 v1(4871.36,5531.35)
  Top Layer w12: FP1.2@331.13,5506.4 437.61,5506.4 449.82,5518.6 513.68,5518.6 514.25,5518.03 C20.1@514.25,5520 514.25,5554.25 576.11,5616.11 v2(582.74,5616.11)
  Top Layer w20: v2(2008.67,5398.67) 2701.48,5398.67 v2(2701.88,5398.27) 2703.61,5400 v6(3460,5400) v2(4240,5400) v2(4870,5400) v2(5650,5400) 5744.85,5400 5745.09,5400.24 v2(6355.12,5400.24) 6355.35,5400 v2(7110,5400) 7380,5400 7484.44,5504.44 7484.44,6074.44 7530,6120 v2(8050,6120) v2(8750,6120) v2(9460,6120) v2(10160,6120) v2(10840,6120) 10880,6160 v2(11493.47,6160)
  Top Layer w30: v6(3460,5400) 3330,5530 v5(3330,5960) 4150,5960 4360,5750 v2(4550,5750) 4600,5750 4660,5810 4660,6020 4840,6200 v2(4990,6200) 5248.09,5941.91 5248.09,5931.91 v2(5250,5930)
  Bottom Layer w8: U3.22@4848.82,5703.82 U3.22@4848.99,5703.65 ; C9.1@4848.99,5647.32 4850.01,5646.29 C9.1@4851.98,5646.29
  Bottom Layer w10: C17.1@4659.11,6000.75 C17.1@4661.3,6002.94 ; C13.1@4665.75,5790 4665.75,5791.97 4671.1,5797.32 U3.33@4723.82,5797.32 ; U3.48@4833.07,5969.57 4833.07,6002.4 v1@4840.65,6009.98 ; v1(4840.65,6013.66) v1@4840.65,6009.98 ; U3.49@4848.82,5969.57 4848.82,6001.81 v1@4840.65,6009.98 ; C9.1@4848.99,5647.32 U3.22@4848.99,5703.65 ; C9.1@4851.98,5646.29 4871.36,5626.91 v1(4871.36,5531.35) ; C14.1@4870,6184.25 4868.03,6184.25 4865.16,6181.38 4865.16,6179.41 4846,6160.25 4846,6151.75 4844.25,6150 4893.78,6150 4928.03,6184.25 C10.1@4930,6184.25 4969.14,6184.25 4980.7,6195.81 4985.81,6195.81 v2(4990,6200) 5014.25,6224.25 C2.1@5080,6224.25 5081.28,6222.97 5155.65,6222.97 Y1.8@5156.93,6221.69 ; U3.10@4989.57,5797.32 5043.54,5797.32 5054.25,5808.03 C7.1@5054.25,5810 5054.25,5811.97 5152.28,5910 ; U3.1@4989.58,5939.04 C8.1@5047.01,5939.03 5047.01,5937.06 5074.07,5910 5152.28,5910 ; v2(5250,5930) 5246.63,5930 5226.63,5910 5152.28,5910
  Bottom Layer w11: C11.1@4652.44,6062.94 4707.06,6062.94 4770.08,5999.92 U3.44@4770.08,5969.57
  Bottom Layer w12: C12.1@4659.11,5952.38 C17.1@4659.11,6000.75 ; C12.1@4659.37,5952.64 4704.53,5952.64 U3.42@4715.79,5941.38 ; C17.1@4661.3,6002.94 4737.06,6002.94 4754.33,5985.67 U3.43@4754.33,5969.57
  Bottom Layer w13: U2.1@584.13,5317.4 652.13,5317.4 658.03,5311.5 C21.1@660,5311.5 ; C21.1@660,5311.83 718.17,5311.83 810,5220 1150,5220 1280,5350 ; P2.2@870,5387.5 872.5,5390 C19.1@980,5390 1200,5390 1280,5470
  Bottom Layer w15: 1280,5350 1340.34,5289.66 R17.3@1425.4,5289.66 ; R17.4@1425.4,5258.17 R17.3@1425.4,5289.66 ; C25.1@1505.75,5498.03 1505.75,5465.95 1425.4,5385.6 R17.1@1425.4,5352.66 R17.2@1425.4,5321.16 R17.3@1425.4,5289.66 ; C25.1@1505.75,5500 1548.24,5500 1565.74,5482.5 U4.16@1594.04,5482.5 1724.61,5482.5 1752.11,5510 2080,5510 2120,5470 2236.59,5470 2245.37,5478.79 2245.37,5499.63 C26.1@2245.75,5500 2287.09,5500 2306.68,5480.41 U5.16@2334.98,5480.41 2361.28,5480.41 2390.87,5510 2850,5510 2882.34,5477.66 2996.59,5477.66 3005.37,5486.44 3005.37,5499.63 C27.1@3005.75,5500 3047.38,5500 3067.38,5480 U6.16@3094.85,5480 ; R7.1@2011.73,5258.17 R7.2@2011.73,5289.66 R7.3@2011.73,5321.16 R7.4@2011.73,5352.66 2011.07,5352.66 2010.2,5353.52 2010.2,5397.14 v2(2008.67,5398.67) 2031.33,5398.67 2077.34,5352.66 R18.1@2129.74,5352.66 R18.2@2129.74,5321.16 R18.3@2129.74,5289.66 R18.4@2129.74,5258.17 ; R8.1@2701.19,5258.17 R8.2@2701.19,5289.66 R8.3@2701.19,5321.16 R8.4@2701.19,5352.66 2701.53,5353 2701.53,5397.92 v2(2701.88,5398.27) 2747.5,5352.66 R19.1@2925.97,5352.66 R19.2@2925.97,5321.16 R19.3@2925.97,5289.66 R19.4@2925.97,5258.17 ; U1.3@3080.55,5964.72 U1.3@3080.55,5988.35 ; U6.16@3095.26,5480.41 3121.84,5480.41 3145.52,5504.09 3671.32,5504.09 3697.75,5477.66 3778.29,5477.66 3795.37,5494.74 3795.37,5499.63 C28.1@3795.75,5500 3827.66,5500 3847.25,5480.41 U7.16@3875.55,5480.41 3902.13,5480.41 3951.72,5530 4470,5530 4480,5520 4485.37,5514.63 4485.37,5500.37 C29.1@4485.75,5500 4517.95,5500 4537.54,5480.41 U8.16@4565.84,5480.41 4592.42,5480.41 4616.1,5504.09 4915.91,5504.09 4947.28,5472.72 5189.31,5472.72 5205.37,5488.79 5205.37,5499.62 C30.1@5205.75,5500 5236.12,5500 5255.71,5480.41 U9.16@5282.98,5480.41 5309.56,5480.41 5359.15,5530 5896.96,5530 5905.75,5521.21 C31.1@5905.75,5500 5942.24,5500 5961.83,5480.41 U10.16@5990.13,5480.41 6016.44,5480.41 6056.03,5520 6586.96,5520 6595.75,5511.21 C32.1@6595.75,5490 6595.75,5488.03 6603.37,5480.41 U11.16@6677.27,5480.41 6703.58,5480.41 6743.17,5520 6914.14,5520 6920,5525.86 6920,5730 7414.25,6224.25 C33.1@7530,6224.25 7531.97,6224.25 7546.67,6209.55 U12.16@7620.13,6209.55 7646.71,6209.55 7670.39,6233.23 8106.77,6233.23 8120,6220 C34.1@8240,6220 8241.97,6220 8252.41,6209.55 U13.16@8337.28,6209.55 8363.86,6209.55 8387.54,6233.23 8816.77,6233.23 8830,6220 C35.1@8940,6220 8941.97,6220 8952.41,6209.55 U14.16@9037.02,6209.55 9063.6,6209.55 9087.28,6233.23 9501.51,6233.23 9510.5,6224.25 C36.1@9630,6224.25 9631.97,6224.25 9646.67,6209.55 U15.16@9721.57,6209.55 9844.38,6209.55 9868.06,6233.23 10236.77,6233.23 10251.5,6218.5 C37.1@10330,6218.5 10331.97,6218.5 10340.92,6209.55 U16.16@10428.71,6209.55 10455.29,6209.55 10478.97,6233.23 10896.77,6233.23 10911.5,6218.5 C38.1@11020,6218.5 11021.97,6218.5 11030.92,6209.55 U17.16@11125.86,6209.55 ; v6(3460,5400) v6@3460.74,5399.26 ; R9.1@3461.47,5258.17 R9.2@3461.47,5289.66 R9.3@3461.47,5321.16 R9.4@3461.47,5352.66 3460.74,5353.39 v6@3460.74,5399.26 ; R20.4@3706.26,5258.17 R20.3@3706.26,5289.66 R20.2@3706.26,5321.16 R20.1@3706.26,5352.66 3507.34,5352.66 v6@3460.74,5399.26 ; v2(4240,5400) v2@4240.88,5399.12 ; R10.1@4241.75,5258.17 4240.88,5259.03 4240.88,5321.16 v2@4240.88,5399.12 ; R21.1@4395.68,5351.79 R21.1@4396.55,5352.66 R21.2@4396.55,5321.16 ; R21.4@4396.55,5258.17 R21.3@4396.55,5289.66 R21.2@4396.55,5321.16 ; v2(4550,5750) 4640,5750 4665.37,5775.37 4665.37,5789.63 C13.1@4665.75,5790 ; C11.1@4652.44,6062.94 4652.44,6011.8 C17.1@4661.3,6002.94 ; R16.1@8703.49,5987.31 R16.2@8703.49,6018.81 R16.3@8703.49,6050.3 R16.4@8703.49,6081.8 8741.21,6081.8 8750,6090.58 v2(8750,6120) 8788.2,6081.8 R31.1@8865.14,6081.8 R31.2@8865.14,6050.3 R31.3@8865.14,6018.81 R31.4@8865.14,5987.31 ; R27.1@9408.41,5987.31 R27.2@9408.41,6018.81 R27.3@9408.41,6050.3 R27.4@9408.41,6081.8 9417.76,6081.8 9425.91,6089.95 9429.95,6089.95 v2(9460,6120) 9498.2,6081.8 R32.1@9552.28,6081.8 R32.2@9552.28,6050.3 R32.3@9552.28,6018.81 R32.4@9552.28,5987.31 ; R28.1@10087.78,5987.31 R28.2@10087.78,6018.81 R28.3@10087.78,6050.3 R28.4@10087.78,6081.8 10097.13,6081.8 10130.55,6115.22 10155.22,6115.22 v2(10160,6120) 10198.2,6081.8 R33.1@10259.43,6081.8 R33.2@10259.43,6050.3 R33.3@10259.43,6018.81 R33.4@10259.43,5987.31 ; R29.1@10794.92,5987.31 R29.2@10794.92,6018.81 R29.3@10794.92,6050.3 R29.4@10794.92,6081.8 10804.27,6081.8 10840,6117.52 v2(10840,6120) 10878.2,6081.8 R34.1@10956.57,6081.8 R34.2@10956.57,6050.3 R34.3@10956.57,6018.81 R34.4@10956.57,5987.31 ; R30.1@11492.07,5987.31 R30.2@11492.07,6018.81 R30.3@11492.07,6050.3 R30.4@11492.07,6081.8 ; v2@4240.88,5399.12 4318.84,5321.16 R21.2@4396.55,5321.16
  Bottom Layer w20: v2(582.74,5616.11) 585.67,5616.11 619.56,5650 1460,5650 ; 1280,5350 1280,5470 1460,5650 ; C3.1@3200.67,5983.59 3180.03,5962.95 3169.23,5962.95 3168.32,5962.05 3163.82,5962.05 3061.77,5860 2777.91,5860 2567.91,5650 1460,5650 ; C3.1@3221.73,6005.08 3406.65,6190 4540,6190 4652.44,6077.56 C11.1@4652.44,6062.94 ; v2(4870,5400) 4884.03,5400 4894.8,5389.23 4960.77,5389.23 5090.2,5259.8 5112.06,5259.8 R22.4@5113.7,5258.17 R22.3@5113.7,5289.66 R22.2@5113.7,5321.16 R22.1@5113.7,5352.66 ; v2@4888.14,5394.93 4932.05,5351.02 R11.3@4932.05,5321.16 R11.2@4932.05,5289.66 R11.1@4932.05,5258.17 ; R12.1@5649.19,5258.17 5649.6,5258.57 5649.6,5399.6 v2(5650,5400) 5698,5352 5820.18,5352 R23.1@5820.84,5352.66 R23.2@5820.84,5321.16 R23.3@5820.84,5289.66 R23.4@5820.84,5258.17 ; v2(6355.12,5400.24) v2@6355.73,5399.62 ; R13.1@6356.34,5258.17 R13.2@6356.34,5289.66 R13.3@6356.34,5321.16 R13.4@6356.34,5352.66 6355.73,5353.27 v2@6355.73,5399.62 ; R24.4@6507.99,5258.17 R24.3@6507.99,5289.66 R24.2@6507.99,5321.16 R24.1@6507.99,5352.66 6402.7,5352.66 v2@6355.73,5399.62 ; R14.1@7043.48,5258.17 R14.2@7043.48,5289.66 R14.3@7043.48,5321.16 R14.4@7043.48,5352.66 7049.57,5352.66 v2@7095.95,5399.04 ; R25.1@7450.85,6081.8 R25.2@7450.85,6050.3 R25.3@7450.85,6018.81 R25.4@7450.85,5987.31 7450.85,5953.39 v2(7485.4,5918.84) ; R15.1@7986.34,5987.31 R15.2@7986.34,6018.81 R15.3@7986.34,6050.3 R15.4@7986.34,6081.8 8020.72,6116.17 8046.17,6116.17 v2(8050,6120) 8053.83,6123.83 8119.88,6123.83 R26.1@8160.27,6083.43 ; R26.4@8167.99,5987.31 R26.3@8167.99,6018.81 R26.2@8167.99,6050.3 R26.1@8167.99,6081.8 ; R30.4@11492.07,6081.8 14228.2,6081.8 14410,5900 14800,5900 14900,5800 15109.68,5800 ; R30.4@11492.07,6083.43 11492.07,6158.6 v2(11493.47,6160) ; R4.1@15109.68,5830 15109.68,5800 ; R1.2@15322.53,5830.78 15319.73,5827.99 15319.73,5811.72 15308.02,5800 15109.68,5800
  Bottom Layer w30: U1.3@3082.72,5986.18 C3.1@3198.5,5986.18
  Bottom Layer w40: C3.1@3200.67,5984.02 3295.16,5984.02 3319.18,5960 v5(3330,5960)
  Bottom Layer w60: C3.1@3200.67,5984.02 C3.1@3200.67,5984.45